# Altium PCB sommotor.PcbDoc (part 3 of 3)
Units mil, origin at the board's own origin, x right, y up, seen from the top; angles counter-clockwise.
Board outline 2543.31 x 4157.48 mil, 4 copper layers (Component Side, Ground Plane, Power Plane, Solder Side), stack 33.234 mil thick; 284 components, 240 nets, 1086 pads, 573 vias.
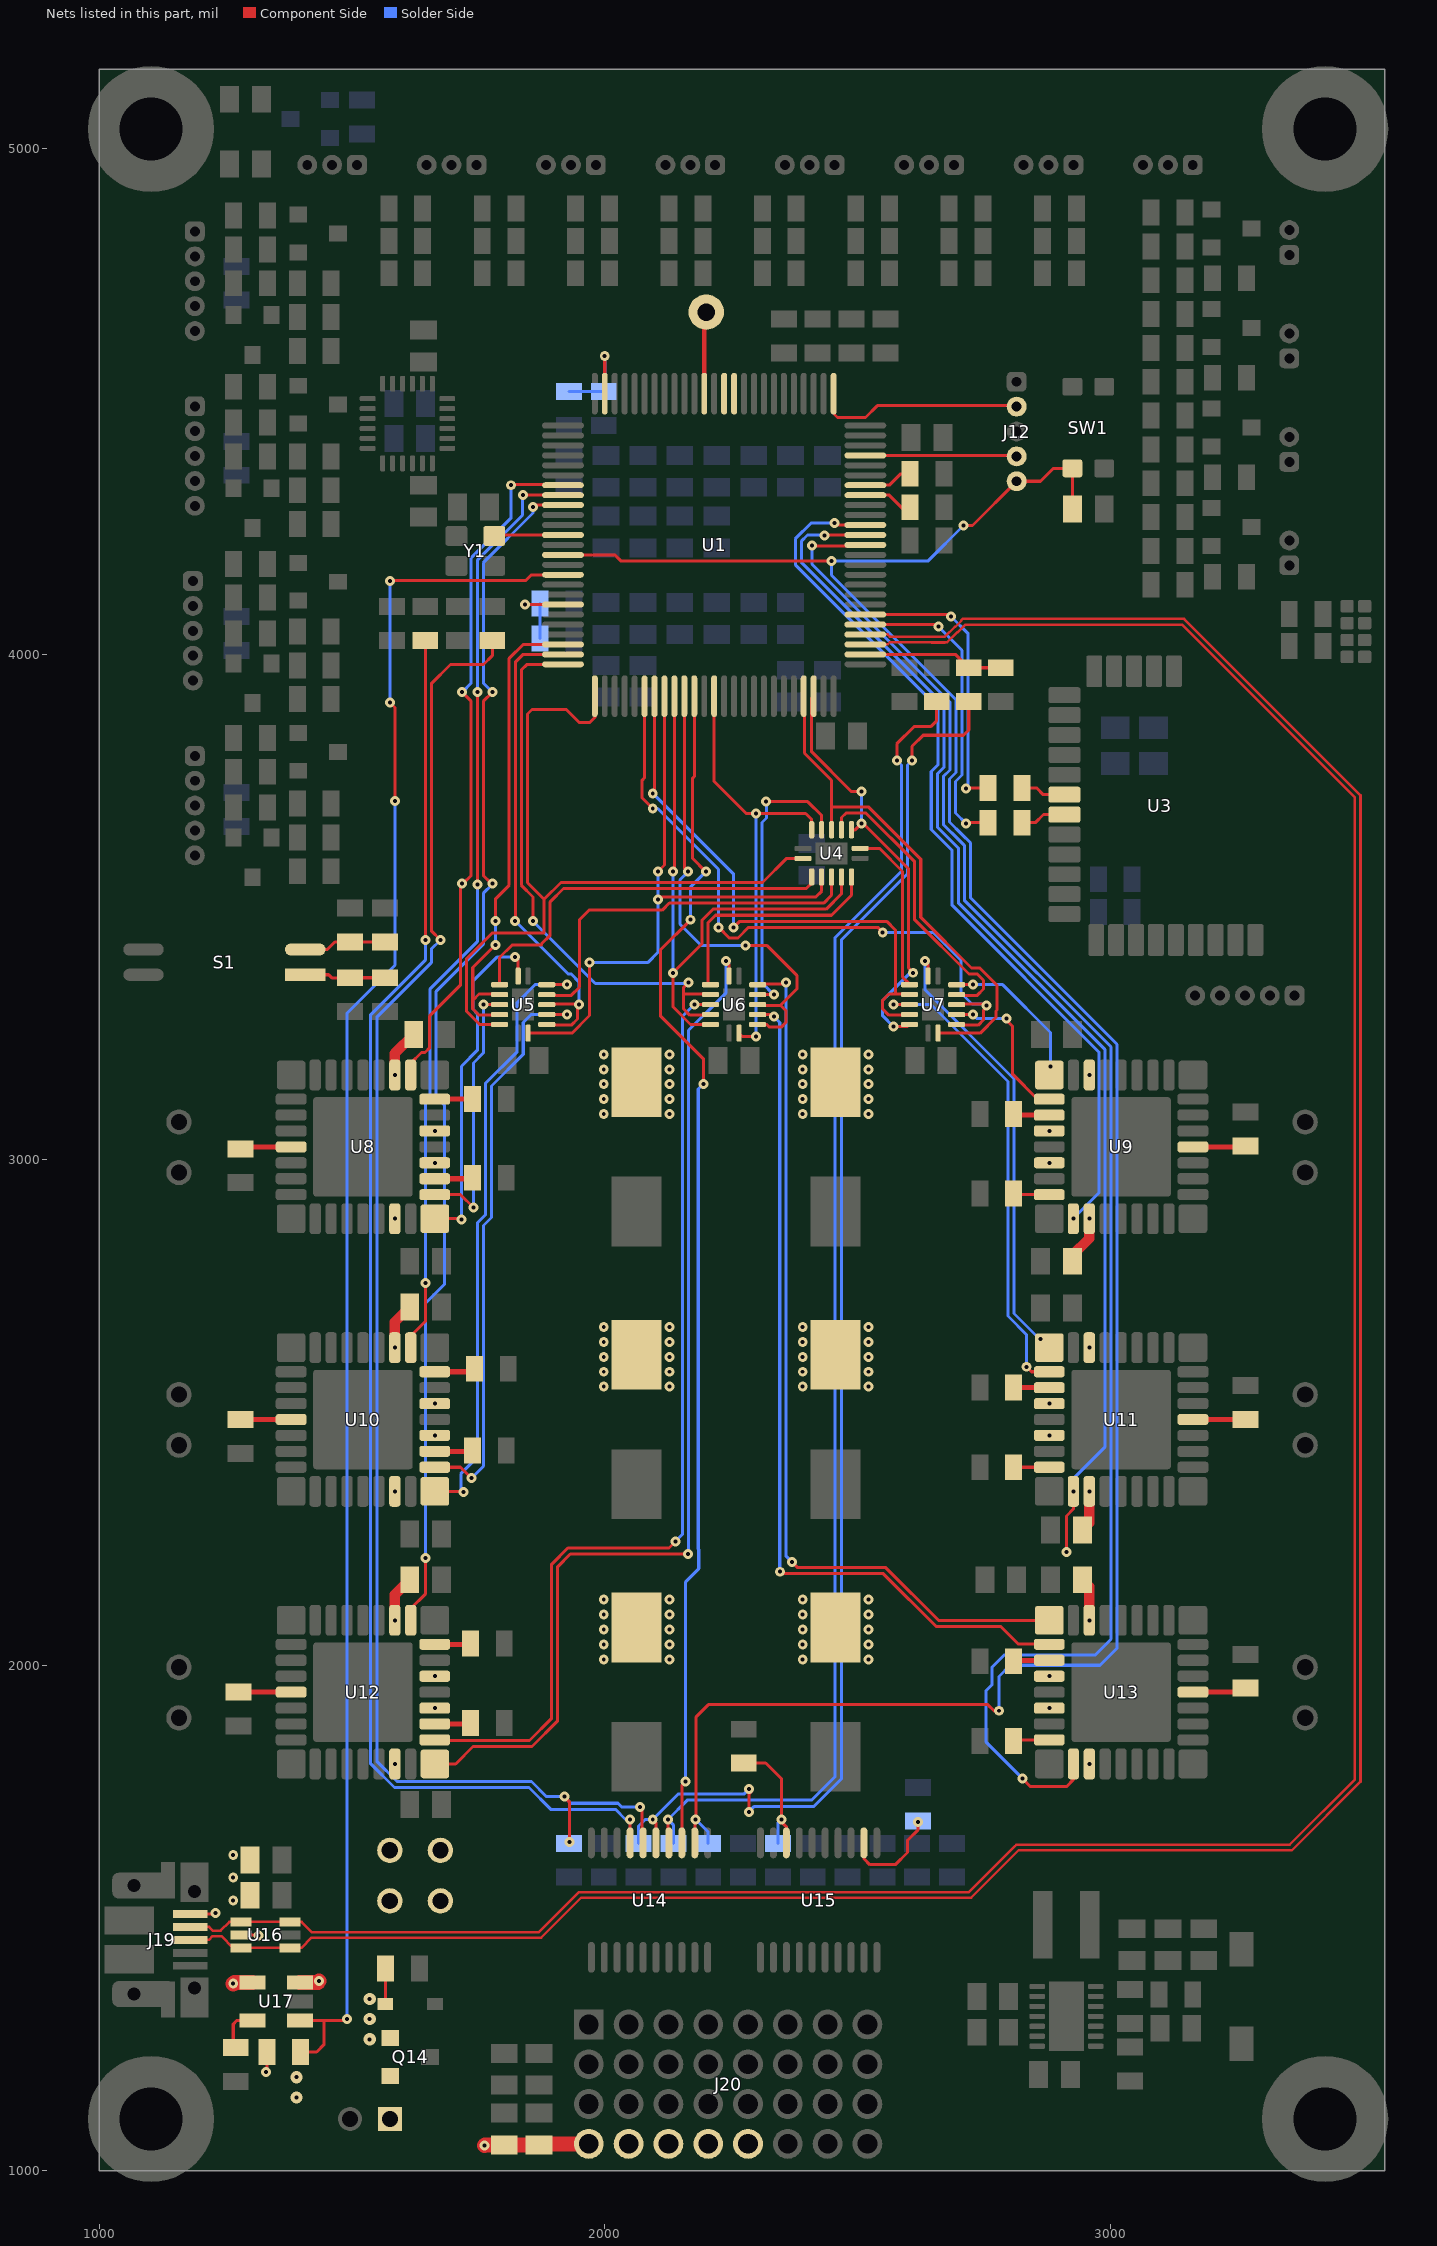
[diagram p5: the nets of this part, all layers, seen from the top]

## Via types
v1: diameter 19.68, hole 7.87, Component Side to Solder Side, tented both sides, 564 vias
v2: diameter 24, hole 8, Component Side to Solder Side, 9 vias

## Nets (pads, with @x,y where several pads share a name; then routed paths per layer and width w, separated by ;. In a path a pad name is that pad's centre, name@x,y a point inside that pad or via, vN(x,y) a via of type N, cw(c..) or ccw(c..) an arc to the next point about the centre after c; other vN are vias at no path point) (continued)
NetR73_2: R73.2 R74.2 U1.52 | length 278.8
  Component Side w6: U1.52@2515.75,4000 2693.75,4000 R73.2@2720.21,3973.54 R74.2@2783.62,3973.54
NetR78_1: R78.1 U3.11 | length 89.6
  Component Side w6: R78.1@2825.39,3735.87 2854.13,3735.87 2867.56,3722.44 U3.11@2909.45,3722.44
NetR81_1: R81.1 U3.12 | length 90.7
  Component Side w6: R81.1@2825.39,3666.97 2851.97,3666.97 2868.07,3683.07 U3.12@2909.45,3683.07
NetR84_1: R84.1 R85.2 S1.2 | length 163.7
  Component Side w6: S1.2@1407.48,3416.14 1451.14,3416.14 1466.1,3431.1 R85.2@1496.06,3431.1 R84.1@1564.96,3431.1
NetR86_2: R86.2 R87.1 S1.1 | length 160.1
  Component Side w6: S1.1@1407.48,3366.14 1453.86,3366.14 1460,3360 1495.83,3360 R86.2@1496.06,3360.24 R87.1@1564.96,3360.24
NetR88_2: R88.2 U8.8 | length 74.4
  Component Side w10: U8.8@1663.78,3120.08 R88.2@1738.19,3120.08
NetR89_1: R89.1 U9.3 | length 75.2
  Component Side w10: R89.1@2805.12,3086.61 2807.09,3088.58 U9.3@2879.53,3088.58
NetR90_1: R90.1 U9.21 | length 101.6
  Component Side w10: U9.21@3163.78,3025.59 3259.84,3025.59 R90.1@3263.78,3029.53
NetR91_1: R91.1 U8.21 | length 101.6
  Component Side w10: R91.1@1279.53,3021.65 1283.46,3025.59 U8.21@1379.53,3025.59
NetR92_1: R92.1 U8.3 | length 75.2
  Component Side w10: U8.3@1663.78,2962.6 1736.22,2962.6 R92.1@1738.19,2964.57
NetR93_2: R93.2 U9.8 | length 71.3
  Component Side w6: R93.2@2809.06,2933.07 2811.02,2931.1 U9.8@2879.53,2931.1
NetR94_2: R94.2 U10.8 | length 80.8
  Component Side w10: U10.8@1663.78,2580.71 1736.22,2580.71 R94.2@1742.13,2586.61
NetR95_1: R95.1 U11.3 | length 75.2
  Component Side w10: R95.1@2805.12,2547.24 2807.09,2549.21 U11.3@2879.53,2549.21
NetR96_1: R96.1 U11.21 | length 101.6
  Component Side w10: U11.21@3163.78,2486.22 3259.84,2486.22 R96.1@3263.78,2490.16
NetR97_1: R97.1 U10.21 | length 101.6
  Component Side w10: R97.1@1279.53,2482.28 1283.46,2486.22 U10.21@1379.53,2486.22
NetR98_1: R98.1 U10.3 | length 75.2
  Component Side w10: U10.3@1663.78,2423.23 1736.22,2423.23 R98.1@1738.19,2425.2
NetR99_2: R99.2 U11.8 | length 70.5
  Component Side w6: R99.2@2809.06,2391.73 U11.8@2879.53,2391.73
NetR100_2: R100.2 U12.8 | length 71.3
  Component Side w10: U12.8@1663.78,2041.34 1732.28,2041.34 R100.2@1734.25,2043.31
NetR101_1: R101.1 U13.21 | length 101.6
  Component Side w10: U13.21@3163.78,1946.85 3259.84,1946.85 R101.1@3263.78,1950.79
NetR102_1: R102.1 U13.3 | length 75.2
  Component Side w10: R102.1@2805.12,2007.87 2807.09,2009.84 U13.3@2879.53,2009.84
NetR103_1: R103.1 U12.21 | length 101.6
  Component Side w10: R103.1@1279.53,1942.91 1283.46,1946.85 U12.21@1379.53,1946.85
NetR104_1: R104.1 U12.3 | length 75.2
  Component Side w10: U12.3@1663.78,1883.86 1736.22,1883.86 R104.1@1738.19,1885.83
NetR105_2: R105.2 R129.2 U15.18 | length 275.8
  Component Side w6: R105.2@2275,1806.54 2318.46,1806.54 2350,1775 v1(2350,1695) 2345,1695 2359.25,1680.75 U15.18@2359.25,1648.62
  Solder Side w6: R129.2@2342.52,1647.64 2342.52,1687.52 v1(2350,1695)
NetR106_2: R106.2 U13.8 | length 71.3
  Component Side w6: R106.2@2809.06,1850.39 2811.02,1852.36 U13.8@2879.53,1852.36
NetR110_2: R110.2 U17.5 | length 89.5
  Component Side w6: R110.2@1270,1243.46 1265,1248.46 1265,1290 1272.6,1297.6 U17.5@1302.76,1297.6
NetR111_2: R111.2 U1.16 U17.1 | length 3430.1
  Component Side w6: U17.1@1397.24,1297.6 1432.4,1297.6 1487.6,1297.6 v1(1490,1300) ; R111.2@1398.46,1235 1430,1235 1445,1250 1445,1297.6 ; v1(1575,3905) 1585,3895 v1(1585,3710) ; v1(1575,4145) 1576.51,4146.51 1844.03,4146.51 1855,4157.48 U1.16@1917.32,4157.48
  Solder Side w6: v1(1490,1300) 1490,3290 1585,3385 v1(1585,3710) ; v1(1575,3905) v1(1575,4145)
NetR114_2: R114.2 R115.1 U1.99 | length 215.4
  Component Side w6: U1.99@2000,4515.75 v1(2000,4590.54)
  Solder Side w6: R115.1@1929.13,4519.69 R114.2@1998.03,4519.69 2000,4521.65 v1(2000,4590.54)
NetR117_2: R117.2 R119.1 U1.19 | length 174
  Component Side w6: v1(1842.52,4098.43) U1.19@1917.32,4098.43
  Solder Side w6: v1(1842.52,4098.43) 1870.08,4098.43 R117.2@1872.05,4100.39 R119.1@1872.05,4031.5
NetR123_1: R123.1 U15.12 | length 201.5
  Component Side w6: U15.12@2512.8,1648.62 2512.8,1617.2 2524.44,1605.56 2575,1605.56 2599,1629.56 2599,1653.7 2620,1674.7 v1(2620,1690)
NetU1_7: U1.7 U8.10 | length 1373
  Component Side w6: U8.10@1616.14,3167.72 1616.14,3190.94 1637.65,3212.46 1644.48,3212.46 1653.54,3221.52 1653.54,3285 1714.84,3346.3 1714.84,3543.95 v1(1717.84,3546.95) 1720.09,3546.95 1735.84,3562.7 1735.84,3907.2 v1(1717.84,3925.2) ; v1(1814.96,4334.64) 1816.28,4335.96 1916.01,4335.96 U1.7@1917.32,4334.65
  Solder Side w6: v1(1717.84,3925.2) 1735.84,3943.2 1735.84,4191.04 1814.96,4270.15 v1(1814.96,4334.64)
NetU1_8: U1.8 U10.10 | length 1858.1
  Component Side w6: U10.10@1616.14,2628.35 1616.14,2651.57 1645.67,2681.1 v1(1645.67,2755.91) ; v1(1747.84,3545) v1(1747.84,3925.2) ; v1(1838.58,4314.96) U1.8@1917.32,4314.96
  Solder Side w6: v1(1645.67,2755.91) 1644.94,2756.64 1644.94,3114.09 1654.58,3123.73 1654.58,3338.39 1740.59,3424.41 1747.84,3431.66 v1(1747.84,3545) ; v1(1747.84,3925.2) 1747.84,4186.07 1837.26,4275.49 1837.26,4313.64 v1(1838.58,4314.96)
NetU1_9: U1.9 U12.10 | length 2408.4
  Component Side w6: U12.10@1616.14,2088.98 1616.14,2112.2 1645.67,2141.73 v1(1645.67,2212.6) ; v1(1777.84,3546.95) 1775.59,3546.95 1759.84,3562.7 1759.84,3907.2 v1(1777.84,3925.2) ; v1(1858.26,4291.33) 1862.21,4295.28 U1.9@1917.32,4295.28
  Solder Side w6: v1(1645.67,2212.6) 1644.94,2213.33 1644.94,2715.8 1682.62,2753.49 1682.62,3108.72 1666.58,3124.76 1666.58,3333.42 1759.84,3426.69 1759.84,3527.3 1777.84,3545.3 v1(1777.84,3546.95) ; v1(1777.84,3925.2) 1759.84,3943.2 1759.84,4181.1 1858.26,4279.52 v1(1858.26,4291.33)
NetU1_12: U1.12 Y1.3 | length 136.6
  Component Side w6: Y1.3@1781.5,4234.25 1783.46,4236.22 U1.12@1917.32,4236.22
NetU1_23: U1.23 U5.10 U5.12 | length 958.8
  Component Side w6: v1(1783.46,3425.19) 1738.84,3380.57 1738.84,3315.78 ; v1(1783.46,3472.44) 1783.46,3515.75 1811.02,3543.31 1811.02,3992.13 1838.58,4019.68 U1.23@1917.32,4019.68 ; U5.12@1791.93,3287.4 1790.61,3286.09 1751.14,3286.09 1738.84,3298.39 1738.84,3315.78 ; U5.10@1791.93,3326.77 1790.61,3328.09 1751.14,3328.09 1738.84,3315.78
  Solder Side w6: v1(1783.46,3425.19) v1(1783.46,3472.44)
NetU1_24: U1.24 U5.2 U5.4 | length 978.4
  Component Side w6: v1(1822.83,3472.44) 1823.02,3472.63 1823.02,3984.44 1838.58,4000 U1.24@1917.32,4000 ; U5.2@1885.24,3267.72 1886.55,3266.4 1933.9,3266.4 1946.2,3278.7 v1@1946.2,3301.75 ; U5.4@1885.24,3307.09 1886.55,3308.4 v1@1939.55,3308.4
  Solder Side w6: v1(1822.83,3472.44) 1927.82,3367.46 1933.9,3367.46 1948.82,3352.54 v1(1948.82,3307.08)
NetU1_25: U1.25 U6.10 U6.12 | length 1120.8
  Component Side w6: v1(1858.27,3472.44) 1858.27,3520.06 1835.02,3543.31 1835.02,3968.88 1846.46,3980.31 U1.25@1917.32,3980.31 ; v1(2165.35,3350.39) 2156.17,3341.18 2156.17,3326.77 ; U6.12@2209.25,3287.4 2207.94,3286.09 2168.47,3286.09 2156.17,3298.39 2156.17,3326.77 ; U6.10@2209.25,3326.77 2207.94,3328.09 2157.48,3328.09 2156.17,3326.77
  Solder Side w6: v1(1858.27,3472.44) 1858.27,3472.03 1981.3,3349 2163.96,3349 v1(2165.35,3350.39)
NetU1_26: U1.26 U4.1 U5.13 | length 1541.3
  Component Side w6: U5.13@1791.93,3267.72 1752.54,3267.72 1726.84,3293.42 1726.84,3398.27 1777.77,3449.2 1880,3449.2 1880,3515.3 ; U1.26@1980.31,3917.32 1980.31,3875.31 1970,3865 1950,3865 1924,3891 1856,3891 1847.02,3882.02 1847.02,3548.28 1880,3515.3 ; U4.1@2392.32,3596.46 2360,3596.46 2312.29,3548.75 1913.45,3548.75 1880,3515.3
NetU1_31: U1.31 U7.2 U7.4 | length 1315
  Component Side w6: U1.31@2078.74,3917.32 2078.74,3755.91 2074,3751.17 2074,3716 v1(2095,3695) ; v1(2225,3460) 2225.3,3460 2246.3,3439 2263.7,3439 2284.57,3459.87 2540.13,3459.87 v1(2550,3450) ; U7.2@2696.26,3267.72 2697.57,3266.4 2738.84,3266.4 2749.35,3276.91 2749.35,3296.1 ; U7.4@2696.26,3307.09 2697.57,3308.4 2751.6,3308.4 v1(2755,3305)
  Solder Side w6: v1(2095,3695) 2104.7,3695 2225,3574.7 v1(2225,3460) ; v1(2550,3450) 2650,3450 2705,3395 2705,3330 2726.6,3308.4 2751.6,3308.4 v1(2755,3305)
NetU1_32: U1.32 U7.10 U7.12 | length 1118.7
  Component Side w6: v1(2095,3725) 2098.43,3728.43 U1.32@2098.43,3917.32 ; v1(2255,3460) 2266.87,3471.87 2557.82,3471.87 2575,3454.7 2575,3328.09 ; U7.12@2602.95,3287.4 2601.64,3286.09 2562.17,3286.09 2549.87,3298.39 2549.87,3315.78 2562.17,3328.09 2575,3328.09 ; U7.10@2602.95,3326.77 2601.64,3328.09 2580,3328.09 2579.78,3327.87 2579.56,3328.09 2575,3328.09
  Solder Side w6: v1(2095,3725) 2255,3565 v1(2255,3460)
NetU1_33: U1.33 U4.3 U5.1 | length 1255.8
  Component Side w6: U5.1@1848.43,3250.59 1935.05,3250.59 1969.82,3285.35 1969.82,3389.82 v1(1970,3390) ; v1(2105,3515) 2110,3520 2203.64,3520 2203.77,3519.87 2417.51,3519.87 2429.13,3531.5 U4.3@2429.13,3559.65 ; v1(2105,3570) 2118.11,3583.11 U1.33@2118.11,3917.32
  Solder Side w6: v1(1970,3390) 2085,3390 2105,3410 v1(2105,3515) v1(2105,3570)
NetU1_34: U1.34 U4.5 U6.13 | length 1163.5
  Component Side w6: v1(2135,3570) 2137.8,3572.8 U1.34@2137.8,3917.32 ; U6.13@2209.25,3267.72 2169.87,3267.72 2135,3302.58 v1(2135,3370) 2192,3427 2192,3473.67 2214.21,3495.87 2438.04,3495.87 2468.5,3526.34 U4.5@2468.5,3559.65
  Solder Side w6: v1(2135,3370) v1(2135,3570)
NetU1_35: U1.35 U6.2 U6.4 | length 952.2
  Component Side w6: U1.35@2157.48,3917.32 2157.48,3577.52 v1(2165,3570) ; v1(2278.1,3423.7) 2321.3,3423.7 2380,3365 2380,3338 2347.77,3305.77 ; U6.2@2302.56,3267.72 2320.68,3267.72 2325.94,3262.46 2349.07,3262.46 2358.27,3271.65 2358.27,3295.28 2347.77,3305.77 ; U6.4@2302.56,3307.09 2303.87,3305.77 2347.77,3305.77
  Solder Side w6: v1(2165,3570) 2149,3554 2149,3466.3 2191.6,3423.7 v1(2278.1,3423.7)
NetU1_36: U1.36 U14.13 | length 2371.7
  Component Side w6: U14.13@2152.56,1648.62 2152.56,1762.56 v1(2160,1770) ; v1(2170,3475) 2110,3415 2110,3285 2195,3200 v1(2195,3150) ; U1.36@2177.17,3917.32 2177.17,3758.24 2174,3755.08 2174,3596 v1(2200,3570)
  Solder Side w6: v1(2160,1770) 2160,2165 2186,2191 2186,2228.7 2185,2229.7 2185,3140 v1(2195,3150) ; v1(2170,3475) 2170,3540 v1(2200,3570)
NetU1_38: U1.38 U4.13 U6.1 | length 890.3
  Component Side w6: U1.38@2216.54,3917.32 2216.54,3748.46 2279.96,3685.04 v1(2299.21,3685.04) 2397.64,3685.04 2409.45,3673.23 U4.13@2409.45,3652.95 ; U6.1@2265.75,3250.59 2272.25,3244.09 v1(2299.21,3244.09)
  Solder Side w6: v1(2299.21,3244.09) v1(2299.21,3685.04)
NetU1_47: U1.47 U4.11 U7.1 | length 1020.7
  Component Side w6: U1.47@2393.7,3917.32 2395.02,3916.01 2395.02,3804.55 2448.82,3750.75 2448.82,3700.79 ; U4.11@2448.82,3652.95 2448.82,3700.79 ; U7.1@2659.45,3250.59 2742.72,3250.59 2774,3281.87 2774,3294.3 2776,3296.3 2776,3345.47 2742.02,3379.46 2725.65,3379.46 2625.24,3479.87 2625.24,3594.66 2521.54,3698.35 2451.25,3698.35 2448.82,3700.79
NetU1_48: U1.48 U4.9 U7.13 | length 847.8
  Component Side w6: U1.48@2413.39,3917.32 2409.31,3913.24 2409.31,3807.23 2488.19,3728.35 v1(2507.87,3728.35) ; U4.9@2488.19,3652.95 2495.47,3652.95 v1(2507.87,3665.35) 2511.22,3665.35 2601.24,3575.34 2601.24,3379.08 v1(2610.24,3370.08) ; v1(2570.86,3263.77) 2599.01,3263.77 U7.13@2602.95,3267.72
  Solder Side w6: v1(2507.87,3665.35) v1(2507.87,3728.35) ; v1(2570.86,3263.77) 2549.87,3284.77 2549.87,3315.78 2604.16,3370.08 v1(2610.24,3370.08)
NetU1_63: U1.63 U13.10 | length 3184
  Component Side w6: v1(2410,4215) 2411,4214 2513.21,4214 U1.63@2515.75,4216.54 ; v1(2826.77,1775.59) 2842.52,1759.84 2913.39,1759.84 2927.17,1773.62 U13.10@2927.17,1804.72
  Solder Side w6: v1(2410,4215) 2410,4178.52 2683,3905.52 2683,3771.36 2670,3758.36 2670,3663.33 2701.33,3632 2701.54,3632 2711.46,3622.08 2711.46,3513.48 3001.5,3223.44 3001.5,2051.5 2970,2020 2789.84,2020 2766,1996.16 2766,1961.3 2754.59,1949.89 2754.59,1847.77 v1(2826.77,1775.59)
NetU1_64: U1.64 U11.10 | length 2423.3
  Component Side w6: v1(2435,4235) 2436.22,4236.22 U1.64@2515.75,4236.22 ; v1(2913.39,2224.41) 2913.39,2295.28 2927.17,2309.06 U11.10@2927.17,2344
  Solder Side w6: v1(2435,4235) 2434,4236 2401.3,4236 2389,4223.7 2389,4182.55 2671,3900.55 2671,3776.33 2658,3763.33 2658,3658.36 2696.36,3620 2696.57,3620 2699.46,3617.11 2699.46,3508.51 2989.5,3218.47 2989.5,2431.5 2929,2371 2929,2346 v1(2927,2344)
NetU1_65: U1.65 U9.10 | length 1778.5
  Component Side w6: v1(2455,4260) 2459.09,4255.91 U1.65@2515.75,4255.91
  Solder Side w6: v1(2455,4260) 2408.33,4260 2377,4228.67 2377,4177.58 2659,3895.58 2659,3781.3 2646,3768.3 2646,3653.39 2687.46,3611.93 2687.46,3503.54 2977.5,3213.5 2977.5,2934.5 v1(2927,2884)
NetU4_2: U4.2 U5.9 | length 784.6
  Component Side w6: U5.9@1791.93,3346.46 1791.93,3400.37 1816.76,3425.2 1875,3425.2 1875,3427.23 1892,3444.23 1892,3510.33 1918.42,3536.75 2398.95,3536.75 2409.45,3547.24 U4.2@2409.45,3559.65
NetU4_4: U4.4 U5.5 | length 760.5
  Component Side w6: U5.5@1885.24,3326.77 1886.55,3325.46 1933.9,3325.46 1950,3341.56 1950,3475 1969,3494 2113.7,3494 2127.7,3508 2198.67,3508 2198.79,3507.87 2433.07,3507.87 2448.82,3523.62 U4.4@2448.82,3559.65
NetU4_6: U4.6 U6.9 | length 467.4
  Component Side w6: U6.9@2209.25,3346.46 2204,3351.71 2204,3468.7 2219.18,3483.87 2448.44,3483.87 2488.19,3523.62 U4.6@2488.19,3559.65
NetU4_8: U4.8 U7.9 | length 337
  Component Side w6: U4.8@2505.32,3616.14 2543.47,3616.14 2589.24,3570.37 2589.24,3361.38 2601.54,3349.08 2605.57,3349.08 U7.9@2602.95,3346.46
NetU4_10: U4.10 U7.5 | length 589.4
  Component Side w6: U4.10@2468.5,3652.95 2468.5,3677.17 2477.69,3686.35 2516.57,3686.35 2613.24,3589.69 2613.24,3474.9 2720.68,3367.46 2737.04,3367.46 2749.35,3355.16 2749.35,3337.76 2737.04,3325.46 2697.57,3325.46 U7.5@2696.26,3326.77
NetU4_12: U4.12 U6.5 | length 577.8
  Component Side w6: U6.5@2302.56,3326.77 v1(2334.65,3326.77) ; v1(2318.9,3708.66) 2401.57,3708.66 2429.13,3681.1 U4.12@2429.13,3652.95
  Solder Side w6: v1(2318.9,3708.66) 2320.21,3707.35 2320.21,3676.34 2311.21,3667.34 2311.21,3350.21 v1(2334.65,3326.77)
NetU5_3: U5.3 U10.2 | length 1158.5
  Component Side w6: U10.2@1663.78,2391.73 1714.57,2391.73 v1(1736.22,2370.08) ; U5.3@1885.24,3287.4 v1(1925.2,3287.4)
  Solder Side w6: v1(1736.22,2370.08) 1760.03,2393.89 1760.03,2870.08 1775.78,2885.83 1775.78,3145.86 1838.77,3208.85 1838.77,3271.84 1854.33,3287.4 v1(1925.2,3287.4)
NetU5_6: U5.6 U10.1 | length 1227.3
  Component Side w6: U10.1@1663.78,2344.09 1718.89,2344.09 v1(1720.47,2342.51) ; U5.6@1885.24,3346.46 v1(1925.2,3346.46)
  Solder Side w6: v1(1720.47,2342.51) 1715.22,2347.76 1715.22,2378.78 1748.03,2411.59 1748.03,2875.05 1763.78,2890.8 1763.78,3150.83 1826.77,3213.82 1826.77,3311.02 1862.2,3346.46 v1(1925.2,3346.46)
NetU5_8: U5.8 U8.1 | length 685.9
  Component Side w6: U8.1@1663.78,2883.46 1714.96,2883.46 v1(1716.54,2881.89) ; v1(1822.83,3401.57) 1828.74,3395.67 U5.8@1828.74,3363.58
  Solder Side w6: v1(1716.54,2881.89) 1716.54,3185.04 1748.03,3216.54 1748.03,3289.2 1738.84,3298.39 1738.84,3353.02 1787.4,3401.57 v1(1822.83,3401.57)
NetU5_11: U5.11 U8.2 | length 520.4
  Component Side w6: U8.2@1663.78,2931.1 1714.57,2931.1 v1(1740.16,2905.51) ; v1(1759.84,3307.09) U5.11@1791.93,3307.09
  Solder Side w6: v1(1740.16,2905.51) 1740.16,3191.69 1760.03,3211.56 v1@1760.03,3298.6
NetU6_3: U6.3 U13.2 | length 1730.3
  Component Side w6: U6.3@2302.56,3287.4 2330.7,3287.4 v1(2334.64,3283.46) ; v1(2346.45,2185.03) 2350.38,2181.1 2551.18,2181.1 2655.31,2076.98 2783.02,2076.98 2817.54,2042.46 2879.53,2042.46 U13.2@2879.53,2041.34
  Solder Side w6: v1(2334.64,3283.46) 2346.27,3271.83 2346.27,2185.22 v1(2346.45,2185.03)
NetU6_6: U6.6 U13.1 | length 1765.3
  Component Side w6: U6.6@2302.56,3346.46 2303.87,3347.77 2355.65,3347.77 v1(2358.27,3350.39) ; v1(2370.08,2204.72) 2381.7,2193.1 2556.15,2193.1 2660.28,2088.98 U13.1@2879.53,2088.98
  Solder Side w6: v1(2358.27,3350.39) 2358.27,2216.54 v1(2370.08,2204.72)
NetU6_8: U6.8 U12.1 | length 2089.3
  Component Side w6: U12.1@1663.78,1804.72 1705,1804.72 1739.51,1839.24 1856.21,1839.24 1907,1890.03 1907,2195.03 1931.97,2220 v1(2165,2220) ; v1(2240.16,3393.7) 2246.06,3387.8 U6.8@2246.06,3363.58
  Solder Side w6: v1(2165,2220) 2165.54,2220.54 2165.54,3256.09 2240.16,3330.71 v1(2240.16,3393.7)
NetU6_11: U6.11 U12.2 | length 1928.7
  Component Side w6: U12.2@1663.78,1852.36 1663.78,1851.24 1851.24,1851.24 1895,1895 1895,2200 1927,2232 2127,2232 v1(2140,2245) ; v1(2177.17,3307.09) U6.11@2209.25,3307.09
  Solder Side w6: v1(2140,2245) 2153.54,2258.54 2153.54,3283.46 v1(2177.17,3307.09)
NetU7_3: U7.3 U9.2 | length 310.3
  Component Side w6: U7.3@2696.26,3287.4 v1(2728.35,3287.4) ; v1(2795,3280) 2795,3275.87 2807.09,3263.78 2807.09,3169.29 2856.3,3120.08 U9.2@2879.53,3120.08
  Solder Side w6: v1(2728.35,3287.4) 2735.75,3280 v1(2795,3280)
NetU7_6: U7.6 U9.1 | length 311.3
  Component Side w6: U7.6@2696.26,3346.46 v1(2728.35,3346.46) ; U9.1@2879.53,3167.72 2877.95,3169.29 2881.89,3173.23 v1(2881.89,3185.04)
  Solder Side w6: v1(2728.35,3346.46) 2787.4,3346.46 2881.89,3251.97 v1(2881.89,3185.04)
NetU7_8: U7.8 U11.1 | length 900.9
  Component Side w6: v1(2633.86,3393.7) 2639.76,3387.8 U7.8@2639.76,3363.58 ; v1(2862.2,2645.67) U11.1@2879.53,2628.35
  Solder Side w6: v1(2633.86,3393.7) 2633.86,3335.87 2809.71,3160.02 2809.71,2696.03 2860.07,2645.67 v1(2862.2,2645.67)
NetU7_11: U7.11 U11.2 | length 953.8
  Component Side w6: v1(2570.87,3307.09) U7.11@2602.95,3307.09 ; v1(2834.65,2590.55) 2844.49,2580.71 U11.2@2879.53,2580.71 U11.2@2879.53,2583.8
  Solder Side w6: v1(2570.87,3307.09) 2645.67,3307.09 2797.71,3155.05 2797.71,2691.06 2834.65,2654.12 v1(2834.65,2590.55)
RST#: C7.1 J12.5 R131.2 SW1.1 U1.14 U14.12 | length 4812.2
  Component Side w6: U1.14@1917.32,4196.85 2019.69,4196.85 2031.5,4185.04 v1(2448.82,4185.04) ; U14.12@2178.15,1648.62 2178.15,1693.15 v1(2180,1695) 2181,1696 2181,1898 2205,1922 2758,1922 2770,1910 v1(2780,1910) ; v1(2710,4255) 2727.44,4255 J12.5@2814.96,4342.52 2862.2,4342.52 2887.8,4368.11 SW1.1@2925.2,4368.11 C7.1@2925.2,4287.4
  Solder Side w6: v1(2180,1695) 2204.72,1670.28 R131.2@2204.72,1647.64 ; v1(2710,4255) 2640.04,4185.04 v1(2448.82,4185.04) 2448.82,4156.67 2695,3910.49 2695,3766.39 2682,3753.39 2682,3668.3 2706.3,3644 2706.51,3644 2723.46,3627.05 2723.46,3518.45 3013.5,3228.41 3013.5,2033.5 2980,2000 2802.03,2000 2780,1977.97 v1(2780,1910)
SPI2_CS#: R72.1 R132.2 U14.14 | length 2701.9
  Component Side w6: v1(2125,1695) 2125,1650.59 U14.14@2126.97,1648.62 ; v1(2578,3790) 2578,3823 2611.9,3856.9 2644.9,3856.9 2656.8,3868.8 R72.1@2656.8,3906.61
  Solder Side w6: R132.2@2135.83,1647.64 2135.83,1684.17 v1(2125,1695) 2163,1733 2409.06,1733 2456,1779.94 2456,3439.79 2587,3570.79 2587,3781 v1(2578,3790)
SPI2_MISO: R63.2 U14.17 | length 2872.3
  Component Side w6: v1(1645.01,3435) R63.2@1645.01,4027.56 ; v1(2050,1695) 2050.2,1694.8 U14.17@2050.2,1648.62
  Solder Side w6: v1(1645.01,3435) 1645.01,3395.03 1537,3287.02 1537,1805.03 1584.03,1758 1850,1758 1893,1715 2021.16,1715 2041.16,1695 v1(2050,1695)
SPI2_MOSI: R65.2 R135.2 U14.16 | length 3094.1
  Component Side w6: v1(1675.01,3435) 1657.01,3453 1657.01,3942.01 1695,3980 1760,3980 1777.56,3997.56 R65.2@1777.56,4027.56 ; v1(1920,1740) 1930,1730 v1(1930,1650) ; v1(2070,1720) 2074,1716 2074,1650.41 U14.16@2075.79,1648.62
  Solder Side w6: v1(1675.01,3435) 1657.01,3417 1657.01,3390.06 1549,3282.05 1549,1810 1589,1770 1854.97,1770 1884.97,1740 v1(1920,1740) 1933,1727 2026.13,1727 2033.13,1720 v1(2070,1720) ; R135.2@1929.13,1647.64 1930,1648.5 v1(1930,1650)
SPI2_SCK: R73.1 R133.2 U14.15 | length 2873.7
  Component Side w6: v1(2095,1695) 2101.38,1688.62 U14.15@2101.38,1648.62 ; v1(2285,1710) 2285,1745 2290,1750 v1(2285,1755) ; v1(2608,3790) 2608,3818 2630,3840 2710,3840 2720.21,3850.21 R73.1@2720.21,3906.61
  Solder Side w6: R133.2@2066.93,1647.64 2066.93,1681.93 2080,1695 v1(2095,1695) 2145,1745 2275,1745 v1(2285,1755) ; v1(2285,1710) 2296,1721 2414.03,1721 2468,1774.97 2468,3434.82 2599,3565.82 2599,3781 v1(2608,3790)
STM32_USB_D_N: J19.2 U1.53 U16.3 U16.4 | length 5517.1
  Component Side w5: J19.2@1180.12,1482.28 1217.07,1482.28 1224.36,1474.99 1240.2,1474.99 1257.34,1492.13 U16.4@1280.51,1492.13 U16.3@1376.97,1492.13 1400.14,1492.13 1420.23,1472.04 1869.86,1472.04 1948.83,1551 2720.29,1551 2811.02,1641.73 2814.25,1644.95 3354.95,1644.95 3484.25,1774.25 3484.25,3716.54 3141.73,4059.06 2713.6,4059.06 2698.05,4043.5 2697.04,4043.5 2677.54,4024 2673.55,4024 2673.05,4023.5 2646.95,4023.5 2646.45,4024 2563.9,4024 2559.59,4019.68 U1.53@2515.75,4019.68
STM32_USB_D_P: J19.3 U1.54 U16.1 U16.6 | length 5556.7
  Component Side w5: J19.3@1180.12,1456.69 1217.07,1456.69 1224.36,1463.99 1241.51,1463.99 1264.55,1440.94 U16.6@1280.51,1440.94 U16.1@1376.97,1440.94 1400.14,1440.94 1420.23,1461.04 1874.42,1461.04 1953.39,1540 2724.85,1540 2818.8,1633.95 3359.51,1633.95 3495.25,1769.7 3495.25,3721.09 3146.29,4070.06 2708.04,4070.06 2705.5,4067.51 2705.5,4066.51 2693.49,4054.5 2692.49,4054.5 2672.99,4035 2668.99,4035 2668.49,4034.5 2651.51,4034.5 2651.01,4035 2563.96,4035 2559.59,4039.37 U1.54@2515.75,4039.37
SWDCK: J12.2 U1.76 | length 415.4
  Component Side w6: U1.76@2452.76,4515.75 2452.76,4476.38 2460.63,4468.5 2515.75,4468.5 2539.37,4492.13 2812.99,4492.13 J12.2@2814.96,4490.16
SWDIO: J12.4 U1.72 | length 300.2
  Component Side w6: U1.72@2515.75,4393.7 2515.75,4393.56 2691.72,4393.56 2691.86,4393.7 2812.99,4393.7 J12.4@2814.96,4391.73
SWO: TP1.1 U1.89 | length 163
  Component Side w8: U1.89@2196.85,4515.75 2196.85,4673.23 TP1.1@2200.79,4677.17
USART1_RX: R49.1 U1.69 | length 98
  Component Side w6: U1.69@2515.75,4334.65 2562.99,4334.65 2585.63,4357.28 R49.1@2604.33,4357.28
USART1_TX: R53.1 U1.68 | length 100
  Component Side w6: U1.68@2515.75,4314.96 2562.99,4314.96 2590.55,4287.4 R53.1@2604.33,4287.4
USART2_RX: U1.87
USART2_TX: U1.86
USART3_RX: R78.2 U1.56 | length 570.4
  Component Side w6: U1.56@2515.75,4078.74 2681.26,4078.74 v1(2685,4075) ; v1(2715,3735) 2715.87,3735.87 R78.2@2758.46,3735.87
  Solder Side w6: v1(2685,4075) 2719,4041 2719,3739 v1(2715,3735)
USART3_TX: R81.2 U1.55 | length 613.8
  Component Side w6: U1.55@2515.75,4059.06 2655.94,4059.06 v1(2660,4055) ; v1(2715,3665) 2716.97,3666.97 R81.2@2758.46,3666.97
  Solder Side w6: v1(2660,4055) 2707,4008 2707,3761.42 2694,3748.42 2694,3686 v1(2715,3665)
VBATT: C41.2 C42.2 J20.4 J20.8 J20.12 J20.16 J20.20 K1.1 P7.2 P8.2 Q14.2 U17.3 | length 246.8
  Component Side w30: U17.3@1397.24,1372.4 1432.4,1372.4 v1(1435,1375) ; v1(1761.81,1050) 1762.99,1051.18 C41.2@1801.18,1051.18 C42.2@1870.08,1051.18 1872.05,1053.15 J20.4@1968.5,1053.15
VBUS: C30.2 C31.1 D1.2 J19.1 Q14.1 R111.1 R136.1 U16.5 U17.4 | length 235.6
  Component Side w6: J19.1@1180.12,1507.87 1227.87,1507.87 v1(1230,1510) ; U16.5@1280.51,1466.54 1313.46,1466.54 v1(1315,1465) ; v1(1330,1195) 1331.54,1196.54 R111.1@1331.54,1235 ; D1.2@1565.79,1330 1566.54,1330.75 R136.1@1566.54,1400
  Component Side w30: v1(1265,1370) 1267.4,1372.4 U17.4@1302.76,1372.4
  other v1: 1265,1535 1265,1580 1265,1625
  other v2: 1390,1145 1390,1185 1535,1260 1535,1300 1535,1340
VMTR: C9.2 C14.1 C15.1 C17.2 C18.2 C20.1 C21.1 C22.2 C24.2 C25.2 C27.1 C28.1 P7.1 P8.1 U8.4 U8.6 U8.11 U8.31 U9.4 U9.6 U9.11 U9.31 U10.4 U10.6 U10.11 U10.31 U11.4 U11.6 U11.11 U11.31 U12.4 U12.6 U12.11 U12.31 U13.4 U13.6 U13.11 U13.31 | length 535.3
  Component Side w20: v1(1584.65,2088.98) 1584.65,2139.76 C24.2@1614.17,2169.29 ; v1(1584.65,2628.35) 1584.65,2679.13 C18.2@1614.17,2708.66 ; v1(1584.65,3167.72) 1584.65,3210.63 C9.2@1622.05,3248.03 ; C17.2@2925.2,2811.02 2958.66,2844.49 v1(2958.66,2883.46) ; C25.2@2944.88,2169.29 2958.66,2155.51 v1(2958.66,2088.98) ; C22.2@2944.88,2267.72 2958.66,2281.5 v1(2958.66,2344.09)
  other v1: 1584.65,1804.72 2958.66,1804.72 1663.78,1915.35 2879.53,1915.35 1663.78,1978.35 2879.53,1978.35 1998.03,2011.81 2127.95,2011.81 2391.73,2011.81 2521.65,2011.81 1998.03,2041.34 2127.95,2041.34 2391.73,2041.34 2521.65,2041.34 1998.03,2070.87 2127.95,2070.87 2391.73,2070.87 2521.65,2070.87 1998.03,2100.39 2127.95,2100.39 2391.73,2100.39 2521.65,2100.39 1998.03,2129.92 2127.95,2129.92 2391.73,2129.92 2521.65,2129.92 1584.65,2344.09 1663.78,2454.72 2879.53,2454.72 1663.78,2517.72 2879.53,2517.72 1998.03,2551.18 2127.95,2551.18 2391.73,2551.18 2521.65,2551.18 1998.03,2580.71 2127.95,2580.71 2391.73,2580.71 2521.65,2580.71 1998.03,2610.24 2127.95,2610.24 2391.73,2610.24 2521.65,2610.24 2958.66,2628.35 1998.03,2639.76 2127.95,2639.76 2391.73,2639.76 2521.65,2639.76 1998.03,2669.29 2127.95,2669.29 2391.73,2669.29 2521.65,2669.29 1584.65,2883.46 1663.78,2994.09 2879.53,2994.09 1663.78,3057.09 2879.53,3057.09 1998.03,3090.55 2127.95,3090.55 2391.73,3090.55 2521.65,3090.55 1998.03,3120.08 2127.95,3120.08 2391.73,3120.08 2521.65,3120.08 1998.03,3149.61 2127.95,3149.61 2391.73,3149.61 2521.65,3149.61 2958.66,3167.72 1998.03,3179.13 2127.95,3179.13 2391.73,3179.13 2521.65,3179.13 1998.03,3208.66 2127.95,3208.66 2391.73,3208.66 2521.65,3208.66
pads on no net: J18.5 J19.0 J19.4 J20.7 J20.11 J20.15 MH1.1 MH2.1 MH3.1 MH4.1 SW1.2 SW1.4 U1.13 U1.67 U1.70 U1.71 U1.81 U1.82 U1.92 U1.93 U1.95 U1.96 U1.97 U1.98 U2.2 U2.3 U2.4 U2.5 U2.6 U2.7 U2.14 U2.15 U2.16 U2.17 U2.19 U2.21 U2.22 U3.13 U3.14 U3.15 U3.18 U3.19 U3.20 U4.EP U5.EP U6.EP U7.EP U8.7 U8.9 U8.17 U8.25 U9.7 U9.9 U9.17 U9.25 U10.7 U10.9 U10.17 U10.25 U11.7 U11.9 U11.17 U11.25 U12.7 U12.9 U12.17 U12.25 U13.7 U13.9 U13.17 U13.25 U15.9 U18.14
copper on no net: | length 1535.4
  Component Side w10: 3489.8,1624.65 3430.75,1624.65 ; 3430.75,1506.54 3430.75,1565.59 ; 3430.75,1506.54 3430.75,1447.48 3489.8,1447.48 3489.8,1506.54 ; 3430.75,1506.54 3489.8,1506.54 ; 3430.75,1565.59 3430.75,1624.65 ; 3430.75,1565.59 3489.8,1565.59 ; 3430.75,1624.65 3430.75,1683.7 3489.8,1683.7 3489.8,1565.59 ; 3489.8,1506.54 3489.8,1565.59
  Solder Side w10: 3430.75,1506.54 3430.75,1565.59 ; 3430.75,1506.54 3489.8,1506.54 ; 3430.75,1506.54 3430.75,1447.48 3489.8,1447.48 3489.8,1506.54 ; 3430.75,1565.59 3430.75,1624.65 ; 3430.75,1565.59 3489.8,1565.59 ; 3430.75,1624.65 3430.75,1683.7 3489.8,1683.7 3489.8,1624.65 ; 3430.75,1624.65 3489.8,1624.65 ; 3489.8,1506.54 3489.8,1565.59 ; 3489.8,1565.59 3489.8,1624.65

## Polygon pours and split planes (outlines as drawn)
NetC35_2 on Component Side "NETC35_2_L01_P114" (solid, pour order 114): 1630,1200 1630,1340 1640,1350 1715,1350 1715,1210 1705,1200
VBATT on Component Side "VBATT_L01_P112" (solid, pour order 112): 1540,1065 1540,1200 1550,1210 1605,1210 1615,1200 1615,1075 1605,1065
VBUS on Component Side "VBUS_L01_P110" (solid, pour order 110): 1595,1240 1595,1360 1520,1360 1520,1245 1525,1240
GND on Component Side "GND_L01_P070" (solid, pour order 70): 1978.35,1893.7 1978.35,1736.22 2145.67,1736.22 2145.67,1893.7
GND on Component Side "GND_L01_P068" (solid, pour order 68): 2372.05,1893.7 2372.05,1736.22 2539.37,1736.22 2539.37,1893.7
GND on Component Side "GND_L01_P066" (solid, pour order 66): 1978.35,2433.07 1978.35,2275.59 2145.67,2275.59 2145.67,2433.07
GND on Component Side "GND_L01_P064" (solid, pour order 64): 2372.05,2433.07 2372.05,2275.59 2539.37,2275.59 2539.37,2433.07
GND on Component Side "GND_L01_P062" (solid, pour order 62): 1978.35,2972.44 1978.35,2814.96 2145.67,2814.96 2145.67,2972.44
GND on Component Side "GND_L01_P060" (solid, pour order 60): 2372.05,2972.44 2372.05,2814.96 2539.37,2814.96 2539.37,2972.44
VMTR on Component Side "VMTR_L01_P058" (solid, pour order 58): 2372.05,2149.61 2372.05,1992.13 2539.37,1992.13 2539.37,2149.61
VMTR on Component Side "VMTR_L01_P056" (solid, pour order 56): 1978.35,2149.61 1978.35,1992.13 2145.67,1992.13 2145.67,2149.61
VMTR on Component Side "VMTR_L01_P054" (solid, pour order 54): 2372.05,2688.98 2372.05,2531.5 2539.37,2531.5 2539.37,2688.98
VMTR on Component Side "VMTR_L01_P052" (solid, pour order 52): 1978.35,2688.98 1978.35,2531.5 2145.67,2531.5 2145.67,2688.98
VMTR on Component Side "VMTR_L01_P050" (solid, pour order 50): 2372.05,3228.35 2372.05,3070.87 2539.37,3070.87 2539.37,3228.35
VMTR on Component Side "VMTR_L01_P048" (solid, pour order 48): 1978.35,3228.35 1978.35,3070.87 2145.67,3070.87 2145.67,3228.35
GND on Component Side "GND_L01_P046" (solid, pour order 46): 3224.41,1842.52 3224.41,1925.2 3118.11,1925.2 3118.11,1968.5 3224.41,1968.5 3224.41,2051.18 3133.86,2051.18 3133.86,2043.31 3102.36,2043.31 3102.36,1850.39 3133.86,1850.39 3133.86,1842.52
M6- on Component Side "M6-_L01_P044" (solid, pour order 44): 3094.49,2059.06 3094.49,2125.98 3330.71,2125.98 3362.2,2094.49 3362.2,1972.44 3413.39,1972.44 3413.39,2114.17 3358.27,2169.29 3007.87,2169.29 2980.32,2141.73 2980.31,2059.06
GND on Component Side "GND_L01_P042" (solid, pour order 42): 3224.41,2381.89 3224.41,2464.57 3118.11,2464.57 3118.11,2507.87 3224.41,2507.87 3224.41,2590.55 3133.86,2590.55 3133.86,2582.68 3102.36,2582.68 3102.36,2389.76 3133.86,2389.76 3133.86,2381.89
GND on Component Side "GND_L01_P040" (solid, pour order 40): 3224.41,2921.26 3224.41,3003.94 3118.11,3003.94 3118.11,3047.24 3224.41,3047.24 3224.41,3129.92 3133.86,3129.92 3133.86,3122.05 3102.36,3122.05 3102.36,2929.13 3133.86,2929.13 3133.86,2921.26
M6+ on Component Side "M6+_L01_P038" (solid, pour order 38): 3094.49,1834.65 3094.49,1767.72 3330.71,1767.72 3362.2,1799.21 3362.2,1921.26 3413.39,1921.26 3413.39,1779.53 3358.27,1724.41 3007.87,1724.41 2980.32,1751.97 2980.31,1834.65
M5+ on Component Side "M5+_L01_P036" (solid, pour order 36): 3094.49,2374.02 3094.49,2307.09 3330.71,2307.09 3362.2,2338.58 3362.2,2460.63 3413.39,2460.63 3413.39,2318.9 3358.27,2263.78 3007.87,2263.78 2980.32,2291.34 2980.31,2374.02
M5- on Component Side "M5-_L01_P034" (solid, pour order 34): 3094.49,2598.43 3094.49,2665.35 3330.71,2665.35 3362.2,2633.86 3362.2,2511.81 3413.39,2511.81 3413.39,2653.54 3358.27,2708.66 3007.87,2708.66 2980.32,2681.1 2980.31,2598.43
M4- on Component Side "M4-_L01_P032" (solid, pour order 32): 3094.49,3137.8 3094.49,3204.72 3330.71,3204.72 3362.2,3173.23 3362.2,3051.18 3413.39,3051.18 3413.39,3192.91 3358.27,3248.03 3007.87,3248.03 2980.32,3220.47 2980.31,3137.8
M4+ on Component Side "M4+_L01_P030" (solid, pour order 30): 3094.49,2913.39 3094.49,2846.46 3330.71,2846.46 3362.2,2877.95 3362.2,3000 3413.39,3000 3413.39,2858.27 3358.27,2803.15 3007.87,2803.15 2980.32,2830.71 2980.31,2913.39
M3+ on Component Side "M3+_L01_P028" (solid, pour order 28): 1448.82,2059.06 1448.82,2125.98 1212.6,2125.98 1181.1,2094.49 1181.1,1972.44 1129.92,1972.44 1129.92,2114.17 1185.04,2169.29 1535.43,2169.29 1562.99,2141.73 1562.99,2059.06
M3- on Component Side "M3-_L01_P026" (solid, pour order 26): 1448.82,1834.65 1448.82,1767.72 1212.6,1767.72 1181.1,1799.21 1181.1,1921.26 1129.92,1921.26 1129.92,1779.53 1185.04,1724.41 1535.43,1724.41 1562.99,1751.97 1562.99,1834.65
M2- on Component Side "M2-_L01_P024" (solid, pour order 24): 1448.82,2374.02 1448.82,2307.09 1212.6,2307.09 1181.1,2338.58 1181.1,2460.63 1129.92,2460.63 1129.92,2318.9 1185.04,2263.78 1535.43,2263.78 1562.99,2291.34 1562.99,2374.02
M2+ on Component Side "M2+_L01_P022" (solid, pour order 22): 1448.82,2598.43 1448.82,2665.35 1212.6,2665.35 1181.1,2633.86 1181.1,2511.81 1129.92,2511.81 1129.92,2653.54 1185.04,2708.66 1535.43,2708.66 1562.99,2681.1 1562.99,2598.43
M1+ on Component Side "M1+_L01_P020" (solid, pour order 20): 1448.82,3137.8 1448.82,3204.72 1212.6,3204.72 1181.1,3173.23 1181.1,3051.18 1129.92,3051.18 1129.92,3192.91 1185.04,3248.03 1535.43,3248.03 1562.99,3220.47 1562.99,3137.8
GND on Component Side "GND_L01_P018" (solid, pour order 18): 1318.9,2051.18 1318.9,1968.5 1425.2,1968.5 1425.2,1925.2 1318.9,1925.2 1318.9,1842.52 1409.45,1842.52 1409.45,1850.39 1440.94,1850.39 1440.94,2043.31 1409.45,2043.31 1409.45,2051.18
GND on Component Side "GND_L01_P012" (solid, pour order 12): 1318.9,2590.55 1318.9,2507.87 1425.2,2507.87 1425.2,2464.57 1318.9,2464.57 1318.9,2381.89 1409.45,2381.89 1409.45,2389.76 1440.94,2389.76 1440.94,2582.68 1409.45,2582.68 1409.45,2590.55
M1- on Component Side "M1-_L01_P006" (solid, pour order 6): 1448.82,2913.39 1448.82,2846.46 1212.6,2846.46 1181.1,2877.95 1181.1,3000 1129.92,3000 1129.92,2858.27 1185.04,2803.15 1535.43,2803.15 1562.99,2830.71 1562.99,2913.39
GND on Component Side "GND_L01_P002" (solid, pour order 2): 1318.9,3129.92 1318.9,3047.24 1425.2,3047.24 1425.2,3003.94 1318.9,3003.94 1318.9,2921.26 1409.45,2921.26 1409.45,2929.13 1440.94,2929.13 1440.94,3122.05 1409.45,3122.05 1409.45,3129.92
+3V3 on Component Side "+3V3_L01_P086" (solid, pour order 86): 1681.1,4322.83 1732.28,4322.83 1732.28,4149.61 1681.1,4149.61 1681.1,4188.98 1681.1,4200.79
VBUS on Component Side "VBUS_L01_P090" (solid, pour order 90): 1325,1650 1325,1510 1280,1510 1255,1510 1255,1650 1325,1650
GND on Component Side "GND_L01_P092" (solid, pour order 92): 1335,1650 1335,1510 1380,1510 1405,1510 1405,1650 1335,1650
NetL1_1 on Component Side "NETL1_1_L01_P094" (solid, pour order 94): 2840,1340 2870,1340 2870,1385 2890,1405 2890,1560 2845,1560 2840,1555 2840,1340
NetL1_2 on Component Side "NETL1_2_L01_P096" (solid, remove dead copper, pour order 96): 2986.77,1340 2956.77,1340 2956.77,1385 2936.77,1405 2936.77,1560 2981.77,1560 2986.77,1555 2986.77,1340
NetC35_2 on Component Side "NETC35_2_L01_P098" (solid, pour order 98): 2870,1330 2830,1330 2825,1335 2825,1385 2820,1390 2780,1390 2775,1385 2775,1240 2775,1235 2780,1230 2820,1230 2825,1235 2825,1295 2830,1300 2870,1300 2870,1330
GND on Component Side "GND_L01_P100" (solid, pour order 100): 2755,1390 2760,1385 2760,1235 2755,1230 2700,1230 2695,1235 2695,1385 2700,1390 2755,1390
NetC36_1 on Component Side "NETC36_1_L01_P102" (solid, pour order 102): 2956,1292 2997,1292 3010,1305 3010,1310 3015,1315 3115,1315 3120,1310 3120,1230 3115,1225 3015,1225 3010,1230 3010,1265 2995,1280 2955,1280 2955,1290
NetC32_2 on Component Side "NETC32_2_L01_P104" (solid, pour order 104): 2955,1300 2990,1300 3010,1320 3115,1320 3120,1325 3120,1390 3125,1395 3290,1395 3290,1440 3290,1475 3285,1480 3240,1480 3235,1475 3235,1445 3230,1440 3015,1440 3010,1435 3010,1350 2990,1330 2955,1330
GND on Component Side "GND_L01_P106" (solid, pour order 106): 3215,1455 3215,1520 3015,1520 3015,1455
+3V3 on Component Side "+3V3_L01_P108" (solid, pour order 108): 3310,1290 3310,1220 3305,1215 3215,1215 3210,1220 3210,1290 3215,1295 3305,1295 3310,1290
VBUS on Solder Side "VBUS_L04_P116" (solid, pour order 116): 1515,1360 1515,1210 1505,1200 1380,1200 1370,1190 1370,1135 1380,1125 1400,1125 1410,1135 1410,1165 1415,1170 1520,1170 1555,1205 1555,1355 1550,1360
GND on Solder Side "GND_L04_P084" (solid, pour order 84): 2334.08,3927.17 2334.08,3879.92 2491.56,3879.92 2491.56,3927.17 2334.08,3927.17
GND on Solder Side "GND_L04_P082" (solid, pour order 82): 1940.94,3937.01 1940.94,3889.76 2106.3,3889.76 2106.3,3937.01
GND on Solder Side "GND_L04_P080" (solid, pour order 80): 1921.26,4074.8 2405.51,4074.8 2405.51,4129.92 1921.26,4129.92
+3V3 on Solder Side "+3V3_L04_P078" (solid, pour order 78): 1921.26,4066.93 2480.32,4066.93 2480.32,3948.82 1921.26,3948.82
+3V3 on Solder Side "+3V3_L04_P076" (solid, pour order 76): 1968.5,4232.28 1968.5,4188.98 2251.97,4188.98 2251.97,4232.28
+3V3 on Solder Side "+3V3_L04_P074" (solid, pour order 74): 1897.64,4370.08 2480.32,4370.08 2480.32,4425.2 1960.63,4425.2 1960.63,4476.38 1897.64,4476.38 1897.64,4370.08
GND on Solder Side "GND_L04_P072" (solid, pour order 72): 1897.64,4358.27 2480.32,4358.27 2480.32,4255.91 1897.64,4255.91 1897.64,4358.27
+3V3 on Solder Side "+3V3_L04_P088" (solid, pour order 88): 1870,1610 1870,1550 2740,1550 2740,1610
GND on Ground Plane (split plane): 3523.21,1020.1 1020.1,1020.1 1020.1,5137.38 3523.21,5137.38
VMTR on Power Plane (split plane): 3004.82,1774.7 2810.14,1774.7 2810.14,1990 2809.91,1991.17 2809.24,1992.16 2808.25,1992.82 2807.09,1993.05 2377.07,1993.05 2377.07,2174.11 2807.09,2174.11 2808.25,2174.35 2809.24,2175.01 2809.91,2176 2810.14,2177.17 2810.14,2519.68 2809.91,2520.85 2809.24,2521.84 2808.25,2522.5 2807.09,2522.74 2377.07,2522.74 2377.07,2713.48 2807.09,2713.48 2808.25,2713.72 2809.24,2714.38 2809.91,2715.37 2810.14,2716.54 2810.14,3070.87 2809.91,3072.03 2809.24,3073.02 2808.25,3073.68 2807.09,3073.92 1712.6,3073.92 1711.43,3073.68 1710.44,3073.02 1709.78,3072.03 1709.55,3070.87 1709.55,2716.54 1709.78,2715.37 1710.44,2714.38 1711.43,2713.72 1712.6,2713.48 2142.62,2713.48 2142.62,2522.74 1712.6,2522.74 1711.43,2522.5 1710.44,2521.84 1709.78,2520.85 1709.55,2519.68 1709.55,2177.17 1709.78,2176 1710.44,2175.01 1711.43,2174.35 1712.6,2174.11 2142.62,2174.11 2142.62,1983.37 1712.6,1983.37 1711.43,1983.13 1710.44,1982.47 1709.78,1981.48 1709.55,1980.31 1709.55,1597.54 1538.48,1597.54 1538.48,3264.67 1776.95,3264.67 1776.95,3220 1777.18,3218.83 1777.84,3217.84 1778.83,3217.18 1780,3216.95 1830,3216.95 1831.17,3217.18 1832.16,3217.84 1832.82,3218.83 1833.05,3220 1833.05,3264.67 2196.95,3264.67 2196.95,3220 2197.18,3218.83 2197.84,3217.84 2198.83,3217.18 2200,3216.95 2245,3216.95 2246.17,3217.18 2247.16,3217.84 2247.82,3218.83 2248.05,3220 2248.05,3266.95 2586.95,3266.95 2586.95,3220 2587.18,3218.83 2587.84,3217.84 2588.83,3217.18 2590,3216.95 2635,3216.95 2636.17,3217.18 2637.16,3217.84 2637.82,3218.83 2638.05,3220 2638.05,3266.95 3004.82,3266.95
+1V8 on Power Plane (split plane): 2565.85,1351.48 2007.87,1351.48 2006.71,1351.24 2005.72,1350.58 2005.06,1349.59 2004.82,1348.43 2004.82,1095.57 1922.34,1095.57 1922.34,1404.43 2565.85,1404.43
NetC35_2 on Power Plane (split plane): 2856.95,1020.1 2328.05,1020.1 2328.05,1095 2327.82,1096.17 2327.16,1097.16 2326.17,1097.82 2325,1098.05 2010.92,1098.05 2010.92,1345.37 2568.9,1345.37 2570.07,1345.61 2571.05,1346.27 2571.72,1347.26 2571.95,1348.43 2571.95,1407.48 2571.72,1408.65 2571.05,1409.64 2570.07,1410.3 2568.9,1410.53 1919.29,1410.53 1918.12,1410.3 1917.13,1409.64 1916.47,1408.65 1916.24,1407.48 1916.24,1095.57 1638.05,1095.57 1638.05,1496.95 1715,1496.95 1716.17,1497.18 1717.16,1497.84 1717.82,1498.83 1718.05,1500 1718.05,1536.95 2856.95,1536.95
VBATT on Power Plane (split plane): 1711.95,1540 1711.95,1503.05 1635,1503.05 1633.83,1502.82 1632.84,1502.16 1632.18,1501.17 1631.95,1500 1631.95,1092.52 1632.18,1091.35 1632.84,1090.36 1633.83,1089.7 1635,1089.47 2007.87,1089.47 2009.04,1089.7 2010.03,1090.36 2010.69,1091.35 2010.81,1091.95 2321.95,1091.95 2321.95,1020.1 1413.05,1020.1 1413.05,1571.75 1711.95,1571.75
ENC_PWR on Power Plane (split plane): 1374.9,4891.73 1375.13,4890.56 1375.8,4889.58 1376.79,4888.91 1377.95,4888.68 1475.11,4888.68 1512.7,4851.1 1512.7,3536.52 1020.1,3536.52 1020.1,5137.38 1374.9,5137.38
VBUS on Power Plane (split plane): 1406.95,1020.1 1020.1,1020.1 1020.1,1641.95 1406.95,1641.95
+3V3 on Power Plane (split plane): 3523.21,1020.1 2863.05,1020.1 2863.05,1540 2862.82,1541.17 2862.16,1542.16 2861.17,1542.82 2860,1543.05 1718.05,1543.05 1718.05,1574.8 1717.82,1575.97 1717.16,1576.96 1716.17,1577.62 1715,1577.85 1413.05,1577.85 1413.05,1645 1412.82,1646.17 1412.16,1647.16 1411.17,1647.82 1410,1648.05 1020.1,1648.05 1020.1,3530.41 1515.75,3530.41 1516.92,3530.65 1517.91,3531.31 1518.57,3532.3 1518.8,3533.46 1518.8,4852.36 1518.57,4853.53 1517.91,4854.52 1517.9,4854.52 1478.54,4893.89 1477.55,4894.55 1476.38,4894.78 1381,4894.78 1381,5137.38 3523.21,5137.38

## Other copper
Component Side:
  text "1" at 3470.12,1475.04 h19.68 r90
Solder Side:
  text "4" at 3470.12,1660.08 h19.68 r90
Ground Plane (plane layer: these items are gaps in the copper):
  text "2" at 3470.12,1534.09 h19.68 r90
Power Plane (plane layer: these items are gaps in the copper):
  lines w5.98: 1000,1575 1000,1645 1410,1645 1410,1000 1535.43,1000 ; 1000,3533.46 1515.75,3533.46 1515.75,4852.36 1476.38,4891.73 1377.95,4891.73 1377.95,5157.48 ; 1410,1574.8 1715,1574.8 1715,1540 ; 1919.29,1092.52 1919.29,1407.48 2568.9,1407.48 2568.9,1348.43 2007.87,1348.43 2007.87,1095 2325,1095 2325,1000 2874.02,1000 ; 2007.87,1092.52 1712.6,1092.52 1635,1092.52 1635,1500 1715,1500 1715,1540 ; 2322.83,1000 2653.54,1000 ; 2860,1000 2860,1540 1715,1540 ; 1535.43,1594.49 1712.6,1594.49 1712.6,1980.31 2145.67,1980.31 2145.67,2177.17 1712.6,2177.17 1712.6,2519.68 2145.67,2519.68 2145.67,2716.54 1712.6,2716.54 1712.6,3070.87 2667.32,3070.87 2726.38,3070.87 2807.09,3070.87 2807.09,2716.54 2374.02,2716.54 2374.02,2519.68 2807.09,2519.68 2807.09,2177.17 2374.02,2177.17 2374.02,1990 2807.09,1990 2807.09,1771.65 2830.71,1771.65 3007.87,1771.65 3007.87,3267.72 3007.87,3270 2635,3270 2635,3220 2590,3220 2590,3270 2245,3270 2245,3220 2200,3220 2200,3267.72 1830,3267.72 1830,3220 1780,3220 1780,3267.72 1712.6,3267.72 1535.43,3267.72 1535.43,1594.49
  text "3" at 3470.12,1589.21 h19.68 r90

## Silkscreen, mask and mechanical layers (free items; w line width, h text height)
Top Overlay:
  text "WOW06 SOM MOTOR BOARD" at 1718,3745 h40
  text "V1 20160219" at 1720,3680 h40
Top Solder:
  region: 3422.87,1439.61 3422.87,1691.57 3497.68,1691.57 3497.68,1439.61
Bottom Solder:
  region: 3422.87,1439.61 3422.87,1691.57 3497.68,1691.57 3497.68,1439.61
Mechanical 1:
  the board outline again, w5.98